# Altium PCB BB.PcbDoc (part 3 of 6)
Units mm, origin at the board's own origin, x right, y up, seen from the top; angles counter-clockwise.
Board outline 170.18 x 88.9 mm, 4 copper layers (Component Side, Ground Plane, Power Plane, Solder Side), stack 1.554 mm thick; 420 components, 358 nets, 1634 pads, 962 vias.
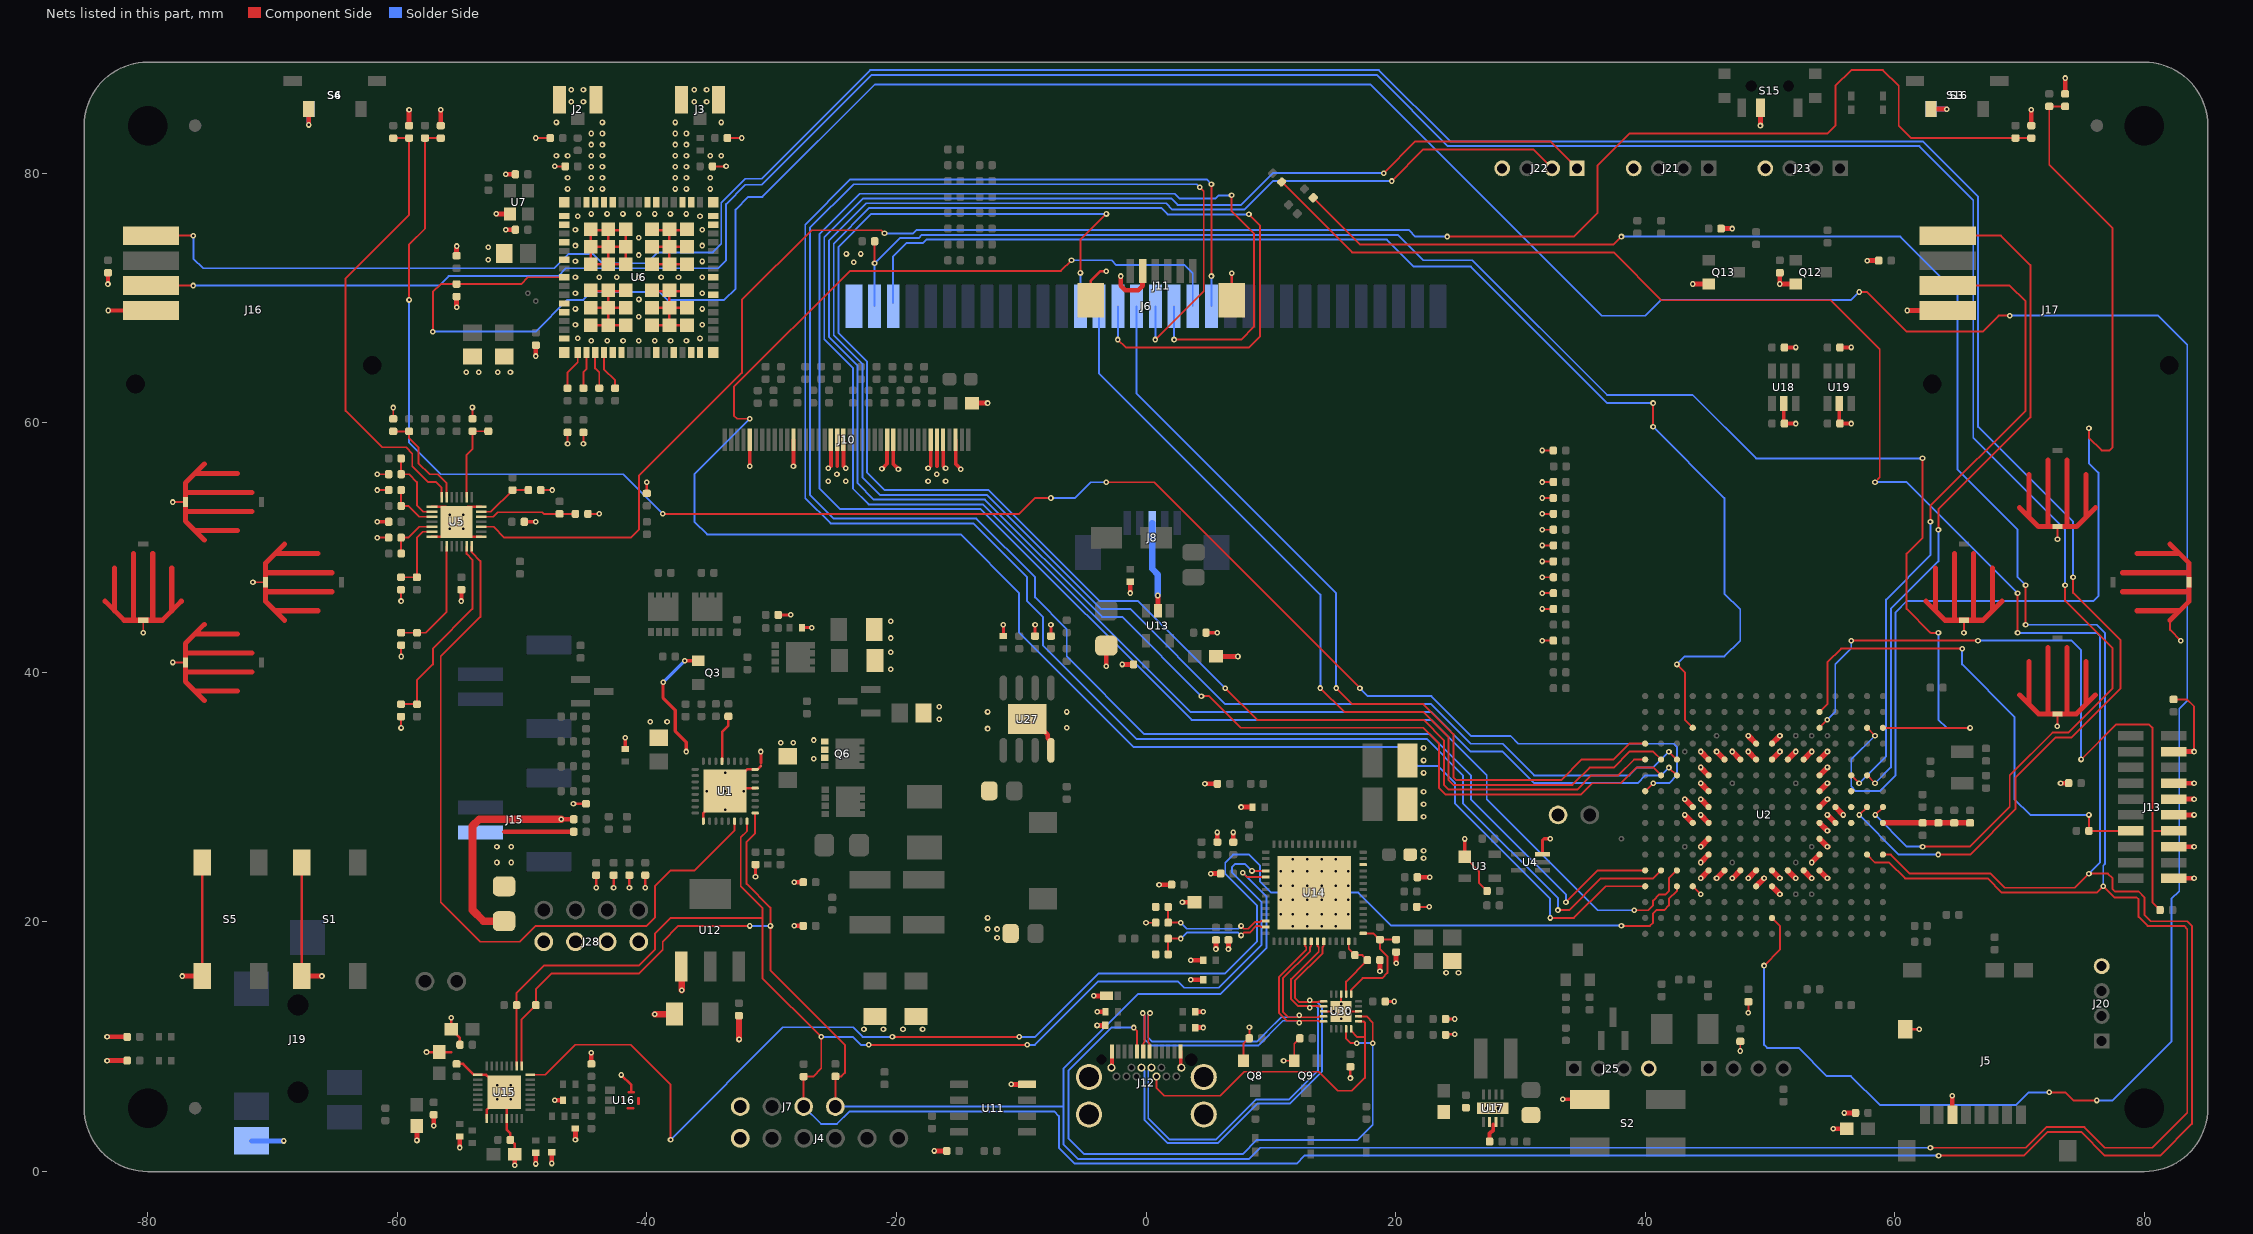
[diagram p5: the nets of this part, all layers, seen from the top]

## Part data (continued)
U15: "IC STEREO CODEC 32BIT 32QFN", Manufacturer 1="AKM Semiconductor", Manufacturer Part Number 1=AK4954AEN, Max Operating Temperature=85°C, Min Operating Temperature=-30°C, Supplier Part Number 1=974-1065-1-ND, ComponentLink1Description=http://www.akm.com/akm/en/file/datasheet/AK4954AEN.pdf, ComponentLink1URL=http://www.akm.com/akm/en/file/datasheet/AK4954AEN.pdf, Description 1="IC STEREO CODEC 32BIT 32QFN", Interface=Serial, Mount="Surface Mount", Packaging="Tape and Reel", Resolution=32b, Stock 1=0, Supplier 1=Digi-Key
U16: "MIC MEMS ANALOG OMNI -38DB", Manufacturer 1=STMicroelectronics, Manufacturer Part Number 1=MP23AB01DHTR, Supplier Part Number 1=497-17051-6-ND, ComponentLink1Description=http://www.farnell.com/datasheets/2310300.pdf, ComponentLink1URL=http://www.farnell.com/datasheets/2310300.pdf, Pricing 1="1=1.59, 10=1.257, 100=1.0017, 500=0.84854, 1000=0.7975 (USD)", Stock 1=5150, Supplier 1=Digi-Key
U17: library part U_TPS62080, "IC BUCK SYNC ADJ 1.2A 8WSON", Current - Output=1.2A, Frequency - Switching=2MHz, Manufacturer="Texas Instruments", Manufacturer Part Number=TPS62080DSGT, Operating Temperature="-40°C ~ 85°C", Package / Case="8-WFDFN Exposed Pad", Supplier Device Package="8-WSON Exposed Pad (2x2)", Supplier Part Number 1=296-29645-1-ND, Voltage - Input="2.3 V ~ 6 V", Voltage - Output="0.5 V ~ 4 V", Category="Integrated Circuits (ICs)", ComponentLink1Description=http://www.ti.com/lit/ds/symlink/tps62080.pdf, ComponentLink1URL=http://www.ti.com/lit/ds/symlink/tps62080.pdf, Mounting Type="Surface Mount", Number of Outputs=1, Output Type=Adjustable, Packaging="Cut Tape (CT)", Pricing="1=4.03, 10=3.612, 25=3.248, 100=2.954 (USD)", PWM Type=Hybrid, RoHS="RoHS Compliant", Stock 1=288, Supplier 1=Digi-Key, Synchronous Rectifier=Yes, Type="Step-Down (Buck)"
U18 U19: library part U_TXS0101DBVR, "IC V-LEVEL TRANSL BI-DIR SOT23-6", Manufacturer="Texas Instruments", Manufacturer Part Number=TXS0101DBVR, Operating Temperature="-40°C ~ 85°C", Package / Case=SOT-23-6, Supplier Part Number 1=296-22863-1-ND, Voltage - Supply="1.65 V ~ 3.6 V, 2.3 V ~ 5.5 V", Category="Integrated Circuits (ICs)", ComponentLink1Description=http://www.ti.com/lit/ds/symlink/txs0101.pdf, ComponentLink1URL=http://www.ti.com/lit/ds/symlink/txs0101.pdf, Data Rate=24Mbps, Differential - Input:Output=No/No, Input Type=Voltage, Logic Function="Translator, Bidirectional, Open Drain", Number of Bits=1, Number of Channels=1, Number of Outputs/Channel=1, Output Type=Voltage, Packaging="Cut Tape (CT)", Pricing 1="1=0.82, 10=0.722, 25=0.638, 100=0.556, 250=0.484, 500=0.412, 1000=0.33 (USD)", Propagation Delay (Max)=4.6ns, RoHS="RoHS Compliant", Stock 1=19555, Supplier 1=Digi-Key, Supplier Device Package=SOT-23-6
U27: "IC REG BUCK SYNC ADJ 3A 8SOPWR", Case/Package=SOIC, Manufacturer="Texas Instruments (TI)", Manufacturer Part Number=TPS54339EDDAR, Max Input Voltage=23V, Max Operating Temperature=85°C, Max Output Current=10A, Max Output Voltage=7V, Min Input Voltage=4.5V, Min Operating Temperature=-40°C, Min Output Voltage=760mV, Output Current=3A, Package Quantity=2500, Quiescent Current=600uA, Supplier Part Number 1=296-40793-1-ND, Switching Frequency=600KHz, ComponentLink1Description=http://www.ti.com/litv/slvsbm0a, ComponentLink1URL=http://www.ti.com/litv/slvsbm0a, ComponentLink2Description=http://www.ti.com/general/docs/lit/getliterature.tsp?genericPartNumber=TPS54339E&&fileType=pdf, ComponentLink2URL=http://www.ti.com/general/docs/lit/getliterature.tsp?genericPartNumber=TPS54339E&&fileType=pdf, ComponentLink3Description=http://www.ti.com/lit/ds/symlink/tps54339e.pdf, ComponentLink3URL=http://www.ti.com/lit/ds/symlink/tps54339e.pdf, Contact Plating=Gold, Lead Free="Lead Free", Min Supply Voltage=4.5V, Mount="Surface Mount", Number of Outputs=1, Number of Pins=8, Output Voltage=7V, Packaging="Tape and Reel", Pricing 1="1=1.91, 10=1.72, 100=1.3822, 500=1.1356, 1000=0.9409 (USD)", Stock 1=1978, Supplier 1=Digikey, Synchronous Rectifier=Yes
U30: "USB Type C Interface Protector: Short-to-VBUS Over Voltage and IEC 61000-4-2 ESD Protection, RUK0020B", Capacitance=1.5pF, Manufacturer="Texas Instruments (TI)", Manufacturer Part Number=TPD8S300RUKR, Supplier Part Number 1=296-45177-6-ND, Lead Free="Lead Free", Pricing 1="1=2.65, 10=2.377, 100=1.9109, 500=1.57, 1000=1.3008 (USD)", Stock 1=2830, Supplier 1=Digi-Key
Y1: library part Y_SMD_32KHZ, "CRYSTAL 32.7680KHZ 12.5PF SMD", Frequency=32.768kHz, Frequency Stability=-, Frequency Tolerance=±20ppm, Load Capacitance=12.5pF, Manufacturer="Epson Toyocom Corporation", Manufacturer Part Number="FC-135 32.7680KA-A3", Operating Mode=Fundamental, Operating Temperature="-40°C ~ 85°C", Package / Case=2-SMD, Supplier Part Number 1=SE2413CT-ND, Category="Crystals and Oscillators", ComponentLink1Description=http://www.eea.epson.com/portal/pls/portal/docs/1/1087994.PDF, ComponentLink1URL=http://www.eea.epson.com/portal/pls/portal/docs/1/1087994.PDF, Height="0.035\" (0.90mm)", Mounting Type="Surface Mount", Packaging="Cut Tape (CT)", Pricing="1=2.98, 10=2.55, 50=2.125, 100=1.9125 (USD)", RoHS="RoHS Compliant", Size / Dimension="0.126\" L x 0.059\" W (3.20mm x 1.50mm)", Stock 1=70403, Supplier 1=Digi-Key, Type="kHz Crystal (Tuning Fork)"

## Via types
v1: diameter 0.457, hole 0.203, Component Side to Solder Side, tented both sides, 907 vias
v2: diameter 0.5, hole 0.203, Component Side to Solder Side, 32 vias
v3: diameter 0.61, hole 0.254, Component Side to Solder Side, tented both sides, 9 vias
v4: diameter 0.5, hole 0.203, Component Side to Solder Side, tented both sides, 8 vias
v5: diameter 0.457, hole 0.203, Component Side to Solder Side, 6 vias

## Nets (pads, with @x,y where several pads share a name; then routed paths per layer and width w, separated by ;. In a path a pad name is that pad's centre, name@x,y a point inside that pad or via, vN(x,y) a via of type N, cw(c..) or ccw(c..) an arc to the next point about the centre after c; other vN are vias at no path point)
ACFET: R30.1 U1.29 | length 3.8
  Component Side w0.203: U1.29@-33.973,32.88 -33.973,35.23 -33.473,35.73 R30.1@-33.473,36.48
ADC0: J16.3 U2.A8 | length 231.3
  Component Side w0.152: J16.3@-79.75,71 v1(-76.339,71) ; v1(58.429,28.575) U2.A8@59.064,29.21 ; v1(62.23,26.035) 66.013,26.035 69.215,29.237 69.215,31.75 72.644,35.179 73.914,35.179 77.461,38.726 77.461,41.919 73.651,45.729 v1(73.651,46.99)
  Solder Side w0.152: v1(-76.339,71) -56.642,71 -55.887,71.755 -47.117,71.755 -46.482,72.39 -34.29,72.39 -33.655,73.025 -33.655,77.52 -32.1,79.075 -30.78,79.075 -21.971,87.884 18.478,87.884 24.193,82.169 61.973,82.169 66.294,77.848 66.294,58.801 73.651,51.444 v1(73.651,46.99) ; v1(58.429,28.575) 60.969,26.035 v1(62.23,26.035) v1@62.239,26.035
ADC1: J16.1 U2.B8 | length 236.2
  Component Side w0.152: J16.1@-79.75,75 v1(-76.339,75) ; v1(57.159,28.575) U2.B8@57.794,29.21 ; v1(63.497,25.4) 66.04,25.4 69.675,29.035 69.675,31.564 72.909,34.798 74.168,34.798 78.109,38.739 78.109,42.561 74.295,46.375 v1(74.295,47.625)
  Solder Side w0.152: v1(-76.339,75) -76.339,73.164 -75.565,72.39 -47.411,72.39 -46.267,73.534 -44.324,73.534 -43.577,72.787 -39.997,72.787 -39.124,73.66 -34.708,73.66 -34.036,74.332 -34.036,77.647 -32.126,79.557 -30.811,79.557 -22.103,88.265 18.669,88.265 24.384,82.55 62.227,82.55 66.675,78.102 66.675,59.681 74.295,52.061 v1(74.295,47.625) ; v1(57.159,28.575) 60.334,25.4 v1(63.497,25.4)
ADC2: J17.1 U2.B6 | length 55.2
  Component Side w0.152: U2.B6@57.785,31.75 v1(58.42,31.115) ; v1(63.506,51.441) 63.506,53.072 70.866,60.432 70.866,72.643 68.51,75 J17.1@64.25,75
  Solder Side w0.152: v1(58.42,31.115) 59.69,32.385 59.69,45.085 63.506,48.901 v1(63.506,51.441)
ADC3: J17.3 U2.C6 | length 51.8
  Component Side w0.152: U2.C6@56.506,31.75 v1(57.141,31.115) ; v1(62.865,52.07) 62.865,53.34 70.485,60.96 70.485,69.73 69.215,71 J17.3@64.25,71
  Solder Side w0.152: v1(57.141,31.115) 59.309,33.283 59.309,45.838 62.865,49.394 v1(62.865,52.07)
ADC4: U2.C7
ADC5: U2.C8
ADC6: U2.C9
AGND: C3.1 C4.1 C5.1 R64.2 U2.A9 | length 7
  Component Side w0.457: U2.A9@59.055,27.94 59.085,27.91 59.115,27.94 C4.1@63.497,27.94 C5.1@66.04,27.94
ALERT: U1.14 U5.14 | length 60.9
  Component Side w0.152: U5.14@-54.045,50.095 -54.045,49.625 -53.34,48.92 -53.34,44.45 -56.515,41.275 -56.515,21.59 -53.338,18.413 -50.167,18.413 -48.895,19.685 -40.005,19.685 -39.353,20.337 -39.353,22.877 -38.1,24.13 -36.175,24.13 -32.973,27.332 U1.14@-32.973,28.08
AUDIO_POWER_DOWN_N: U2.P13 U15.8 | length 121.4
  Component Side w0.152: U15.8@-49.34,7.754 -48.126,7.754 -45.72,10.16 -41.287,10.16 -38.1,6.973 v1(-38.1,2.556) ; v1(-20.32,10.795) v1(-10.162,10.795) ; v1(38.1,19.688) 40.386,19.688 40.635,19.937 40.635,20.701 40.889,20.955 41.529,20.955 41.91,21.336 41.91,21.844 42.545,22.479 U2.P13@42.545,22.86
  Solder Side w0.152: v1(-38.1,2.556) -29.096,11.56 -23.47,11.56 -22.705,10.795 v1(-20.32,10.795) ; v1(-10.162,10.795) -8.878,10.795 -3.798,15.875 6.35,15.875 8.89,18.415 8.89,21.336 6.35,23.876 6.35,24.765 6.985,25.4 8.255,25.4 9.144,24.511 9.144,23.241 10.033,22.352 17.02,22.352 19.666,19.706 v1@38.111,19.706
AUX_C_N: C99.1 R54.1 U14.55 | length 9.7
  Component Side w0.152: C99.1@1.778,17.404 R54.1@1.778,18.669 v1(2.778,18.669) ; v1(7.62,18.923) 7.847,19.15 8.302,19.15 8.842,19.69 9.12,19.69 9.218,19.592 U14.55@9.594,19.592
  Solder Side w0.152: v1(2.778,18.669) 3.263,19.154 7.389,19.154 v1(7.62,18.923)
AUX_C_P: C98.1 R55.2 U14.54 | length 9.7
  Component Side w0.152: C98.1@1.778,21.209 R55.2@1.778,19.944 v1(2.778,19.944) ; v1(7.62,19.682) 7.847,19.455 8.176,19.455 8.715,19.994 9.12,19.994 9.218,20.092 U14.54@9.594,20.092
  Solder Side w0.152: v1(2.778,19.944) 3.263,19.459 7.397,19.459 v1(7.62,19.682)
AUX_N: C99.2
AUX_P: C98.2
BAT_SCL: J7.4 R56.2 R59.2 R124.1 U1.17 U2.B11 U14.47 U15.9 | length 357.7
  Component Side w0.152: U15.9@-50.04,8.454 -50.04,12.19 R56.2@-48.895,13.335 -48.895,14.605 -47.625,15.875 -40.623,15.875 -38.723,17.775 -38.723,18.432 -37.473,19.682 v1(-31.75,19.682) ; U1.17@-31.323,28.73 -31.323,27.097 -32.004,26.416 -32.004,23.054 -30.099,21.149 v1(-30.099,19.685) -30.099,16.129 -24.13,10.16 -24.13,7.91 -24.415,7.625 R59.2@-24.892,7.625 J7.4@-24.892,5.207 ; v1(7.744,23.942) 8.094,23.592 U14.47@9.594,23.592 ; R124.1@13.407,78.033 17.145,74.295 37.465,74.295 v1(38.1,74.93) ; U2.B11@57.785,25.4 58.42,24.765 59.563,24.765 60.833,23.495 67.437,23.495 68.58,22.352 76.2,22.352 v1(76.708,22.86) 76.715,22.86 77.604,21.971 79.375,21.971 79.539,21.807 79.539,20.41 80.265,19.684 83.185,19.684 83.439,19.43 83.439,4.699 80.645,1.905 76.844,1.905 75.193,3.556 72.14,3.556 70.489,1.905 v1(62.865,1.905) ; v1(70.485,43.815) v1(70.485,46.99)
  Solder Side w0.152: v1(-31.75,19.682) -30.182,19.682 -30.142,19.642 v1(-30.099,19.685) ; J7.4@-24.892,5.207 -6.604,5.207 ; v1(7.744,23.942) 9.644,22.042 9.644,17.91 5.958,14.224 -0.652,14.224 -6.604,8.272 -6.604,5.207 ; v1(38.1,74.93) 60.449,74.93 65.024,70.355 65.024,56.261 69.843,51.442 69.843,47.632 v1(70.485,46.99) ; v1(62.865,1.905) 9.144,1.905 8.255,1.016 -5.461,1.016 -6.604,2.159 -6.604,5.207 ; v1(70.485,43.815) 76.2,43.815 76.84,43.175 76.84,24.646 76.708,24.514 v1(76.708,22.86)
BAT_SDA: J7.3 R57.2 R58.2 R125.1 U1.16 U2.A11 U14.46 U15.10 | length 377.5
  Component Side w0.152: U15.10@-50.44,8.454 R57.2@-50.44,13.335 -50.44,14.33 -48.26,16.51 -40.632,16.51 -39.353,17.789 -39.353,19.067 -38.1,20.32 -31.742,20.32 -30.734,20.32 ; U1.16@-31.973,28.08 -31.973,27.29 -32.473,26.79 -32.473,22.87 -30.734,21.131 -30.734,20.32 ; J7.3@-27.432,5.207 R58.2@-27.432,7.612 -26.678,7.612 -26.023,8.267 v1(-26.023,10.795) -30.734,15.506 -30.734,20.32 ; v1(-22.225,10.152) v1(-9.525,10.152) ; v1(8.494,24.092) U14.46@9.594,24.092 ; R125.1@10.867,79.303 16.51,73.66 37.465,73.66 41.3,69.825 54.889,69.825 58.801,65.913 58.801,55.626 v1(58.42,55.245) ; U2.A11@59.055,25.4 59.69,25.4 61.214,23.876 67.691,23.876 68.825,22.742 74.428,22.742 v1(75.562,23.876) 77.089,23.876 77.461,23.504 77.461,22.625 77.644,22.442 79.539,22.442 80.01,21.971 80.01,20.574 80.524,20.06 83.444,20.06 83.82,19.684 83.82,3.826 81.264,1.27 76.835,1.27 74.93,3.175 72.263,3.175 70.358,1.27 v1(63.513,1.27) ; v1(69.843,43.171) v1(69.843,46.351)
  Solder Side w0.152: J7.3@-27.432,5.207 -26.035,3.81 -24.765,3.81 -23.749,4.826 -7.366,4.826 -6.985,4.445 -6.985,1.905 -5.715,0.635 12.065,0.635 12.7,1.27 v1(63.513,1.27) ; v1(-26.023,10.795) -23.495,10.795 -22.852,10.152 v1(-22.225,10.152) ; v1(-9.525,10.152) -8.9,10.152 -3.812,15.24 2.539,15.24 3.047,14.732 5.842,14.732 9.266,18.156 9.266,21.592 6.878,23.98 6.878,24.404 7.112,24.638 7.948,24.638 v1(8.494,24.092) ; v1(58.42,55.245) 60.949,55.245 v1(69.843,46.351) ; v1(69.843,43.171) 76.183,43.171 76.454,42.9 76.454,24.768 v1(75.562,23.876)
BGND: C18.1 C19.1 C22.1 C24.1 C26.1 C27.1 C35.1 C40.2 C41.2 J15.2 J28.1 J28.2 J28.3 J28.4 NT1.2 R33.1 R34.1 R38.2 R39.2 R40.2 R41.2 R67.2 U1.9 U1.21 U1.24 U1.33 | length 22.7
  Component Side w0.203: v1(-45.882,29.48) C24.1@-44.878,29.48 ; v1(-44.064,22.742) R38.2@-44.064,23.746 ; v1(-42.667,22.742) R39.2@-42.667,23.746 ; v1(-41.397,22.742) R40.2@-41.397,23.746 ; v1(-40.127,22.742) R41.2@-40.127,23.746 ; U1.9@-35.473,28.08 -35.473,28.73 U1.33@-33.723,30.48 U1.33@-33.473,30.73 ; U1.21@-31.323,30.73 U1.33@-33.473,30.73 ; U1.24@-31.323,32.23 -31.973,32.23 U1.33@-33.473,30.73 ; v1(-31.294,23.625) R67.2@-31.294,24.595 ; U1.24@-31.136,32.23 NT1.2@-30.861,32.505
  Component Side w0.254: C18.1@-41.735,33.865 v1(-41.735,34.765)
  Component Side w0.381: -51.411,27.23 R33.1@-45.858,27.23 ; v1(-28.194,19.688) C41.2@-27.47,19.688 ; v1(-28.194,23.188) C40.2@-27.47,23.188
  other v1: -52.011,24.765 -50.868,24.765 -52.011,26.035 -50.868,26.035 -29.274,34.364 -28.258,34.364 -39.731,36.044 -38.381,36.044 -16.557,36.238 -16.557,37.254 -20.451,40.255 -20.451,41.605 -20.451,42.755 -20.451,44.105
BT_EN: R75.1 U2.H15 U6.41 | length 283.1
  Component Side w0.152: v1(-57.15,67.31) -57.15,70.488 -56.518,71.12 R75.1@-55.245,71.12 -50.075,71.12 -49.53,71.665 U6.41@-46.615,71.665 ; v1(49.53,16.51) 50.8,17.78 50.8,19.685 U2.H15@50.165,20.32 ; v1(57.152,70.485) 57.777,70.485 60.951,67.31 67.052,67.31 68.327,68.585 v1(69.215,68.585) ; v1(72.39,6.35) 73.66,6.35 74.314,5.696 v1(76.2,5.696)
  Solder Side w0.152: v1(-57.15,67.31) -48.914,67.31 -46.374,69.85 -45.085,69.85 -44.45,70.485 -38.989,70.485 -38.354,69.85 -33.796,69.85 -32.893,70.753 -32.893,77.089 -31.877,78.105 -30.734,78.105 -21.717,87.122 17.983,87.122 36.525,68.58 40.005,68.58 41.275,69.85 56.517,69.85 v1(57.152,70.485) ; v1(49.53,16.51) 49.53,10.154 49.778,9.906 52.315,9.906 54.569,7.652 56.485,7.652 58.803,5.334 69.723,5.334 70.739,6.35 v1(72.39,6.35) ; v1(69.215,68.585) 81.113,68.585 83.439,66.259 83.439,37.719 82.804,37.084 82.804,22.479 82.169,21.844 82.169,10.41 77.455,5.696 v1(76.2,5.696)
BT_UART_CTSN: R72.2 U6.50 | length 3.2
  Component Side w0.152: R72.2@-46.355,62.775 -46.355,64.045 -45.54,64.86 U6.50@-45.54,65.64
BT_UART_RTSN: R73.2 U6.51 | length 3
  Component Side w0.152: R73.2@-45.085,62.775 -45.085,64.045 -44.84,64.29 U6.51@-44.84,65.64
BT_UART_RXD: R71.2 U6.52 | length 3
  Component Side w0.152: U6.52@-44.14,65.64 -44.14,64.37 -43.815,64.045 R71.2@-43.815,62.775
BT_UART_TXD: R70.2 U6.53 | length 3.2
  Component Side w0.152: U6.53@-43.44,65.64 -43.44,64.305 -42.545,63.41 R70.2@-42.545,62.775
BTN_A: C58.2 R118.1 U5.27 | length 8.2
  Component Side w0.152: C58.2@-60.325,59.317 R118.1@-59.055,59.317 -59.055,58.777 -58.302,58.024 -58.302,56.778 -57.404,55.88 -56.769,55.88 -56.045,55.156 U5.27@-56.045,54.045
BTN_B: C59.2 R119.1 U5.20 | length 4.5
  Component Side w0.152: U5.20@-53.27,52.87 -52.505,52.87 R119.1@-50.765,54.61 C59.2@-49.495,54.61
BTN_DOWN: C53.2 R112.1 U5.6 | length 5.8
  Component Side w0.152: C53.2@-59.698,47.625 R112.1@-58.428,47.625 -58.428,50.792 -57.95,51.27 U5.6@-57.22,51.27
BTN_LB: C92.2 R65.1 U2.T7 | length 145.3
  Component Side w0.152: v1(-59.055,69.85) -59.055,74.295 -57.777,75.573 R65.1@-57.777,82.82 C92.2@-56.515,82.82 C92.2@-56.507,82.82 ; v1(-38.736,52.709) -10.158,52.709 -8.89,53.977 v1(-7.62,53.977) ; v1(-3.177,55.234) 0.656,55.234 v1@17.15,38.74 ; U2.T7@40.005,30.48 v1(40.65,31.125)
  Solder Side w0.152: v1(-59.055,69.85) -59.055,58.42 -56.515,55.88 -41.907,55.88 v1(-38.736,52.709) ; v1(-7.62,53.977) -7.622,53.975 -5.704,53.975 -4.445,55.234 v1(-3.177,55.234) ; v1(17.145,38.735) 17.783,38.097 22.863,38.097 26.044,34.916 29.21,34.916 29.845,34.281 42.291,34.281 42.549,34.023 42.549,31.759 41.915,31.125 v1(40.65,31.125)
BTN_LEFT: C54.2 R113.1 U5.2 | length 6.1
  Component Side w0.152: R113.1@-59.69,57.15 C54.2@-59.69,55.88 -59.055,55.88 -58.428,55.253 -58.428,53.386 -57.912,52.87 U5.2@-57.22,52.87
BTN_LT: C50.2 R109.1 U5.28 | length 36.8
  Component Side w0.152: R109.1@-60.325,82.82 C50.2@-59.055,82.82 -59.055,76.656 -64.135,71.576 -64.135,60.96 -61.214,58.039 -59.3,58.039 -58.801,57.54 -58.801,56.515 -57.531,55.245 -56.896,55.245 -56.445,54.794 U5.28@-56.445,54.045
BTN_RB: C93.2 R66.1 U2.B3 | length 87.5
  Component Side w0.152: U2.B3@57.785,35.56 v1(58.42,34.925) ; C93.2@73.66,85.36 R66.1@72.381,85.36 72.381,80.673 77.461,75.593 77.461,58.03 77.216,57.785 76.581,57.785 75.565,58.801 v1(75.565,59.563)
  Solder Side w0.152: v1(58.42,34.925) 56.519,33.024 56.519,30.857 56.896,30.48 58.792,30.48 60.071,31.759 60.071,44.815 60.985,45.729 75.946,45.729 76.327,46.11 76.327,56.007 75.565,56.769 v1(75.565,59.563)
BTN_RIGHT: C55.2 R114.1 U5.5 | length 4.1
  Component Side w0.152: R114.1@-59.698,49.53 C55.2@-59.698,50.8 -59.125,50.8 -58.255,51.67 U5.5@-57.22,51.67
BTN_RT: C51.2 R110.1 U5.17 | length 154.9
  Component Side w0.152: U5.17@-53.27,51.67 -52.281,51.67 -51.411,50.8 -41.272,50.8 -40.637,51.435 -40.637,55.754 -32.385,64.006 -32.385,69.85 -26.805,75.43 -21.201,75.43 v1(-20.955,75.184) ; v1(24.13,74.93) 34.29,74.93 36.195,76.835 36.195,80.645 38.735,83.185 54.612,83.185 55.245,83.818 55.245,86.995 56.515,88.265 59.055,88.265 60.325,86.995 60.325,83.82 61.325,82.82 R110.1@69.675,82.82 C51.2@70.945,82.82
  Solder Side w0.152: v1(-20.955,75.184) -18.65,75.184 -18.396,75.438 4.358,75.438 21.082,75.438 21.59,74.93 v1(24.13,74.93)
BTN_SELECT: C56.2 R117.1 U5.13 | length 15.9
  Component Side w0.152: C56.2@-59.698,37.456 -58.428,37.456 -58.428,39.362 -57.15,40.64 -57.15,41.91 -53.975,45.085 -53.975,49.022 -54.445,49.492 U5.13@-54.445,50.095
BTN_START: C67.2 R115.1 U5.9 | length 9.6
  Component Side w0.152: C67.2@-59.69,43.18 R115.1@-58.42,43.18 -57.737,43.18 -56.045,44.872 U5.9@-56.045,50.095
BTN_UP: C52.2 R111.1 U5.3 | length 4.1
  Component Side w0.152: C52.2@-59.69,54.61 R111.1@-59.69,53.34 -59.125,53.34 -58.255,52.47 U5.3@-57.22,52.47
BTN_X: C60.2 R121.1 U5.23 | length 6.7
  Component Side w0.152: U5.23@-54.445,54.045 -54.445,57.423 -53.976,57.892 C60.2@-53.976,59.325 R121.1@-52.706,59.325
BTN_Y: C61.2 R122.1 U5.19 | length 7.8
  Component Side w0.152: U5.19@-53.27,52.47 -52.302,52.47 -51.94,52.832 -48.387,52.832 -48.26,52.705 R122.1@-46.99,52.705 C61.2@-45.72,52.705
C_CC1: C97.2 R116.2 U14.13 U30.12 | length 5.9
  Component Side w0.152: U30.12@16.029,14.227 16.029,15.227 C97.2@17.744,16.942 17.344,17.342 R116.2@16.744,17.342 16.244,17.842 U14.13@16.244,18.442
C_CC2: C28.2 R120.2 U14.15 U30.11 | length 9.6
  Component Side w0.152: U30.11@16.429,14.227 16.429,14.569 17.354,15.494 18.923,15.494 19.344,15.915 19.344,17.254 18.744,17.854 R120.2@18.744,18.592 ; U14.15@17.394,19.092 18.194,19.092 18.694,18.592 R120.2@18.744,18.592 ; C28.2@20.044,18.592 R120.2@18.744,18.592
C_USB_B_N: J12.B7 U14.9 U30.16 | length 36.1